# Altium PCB SPG_300.PcbDoc (part 4 of 7) (continued)
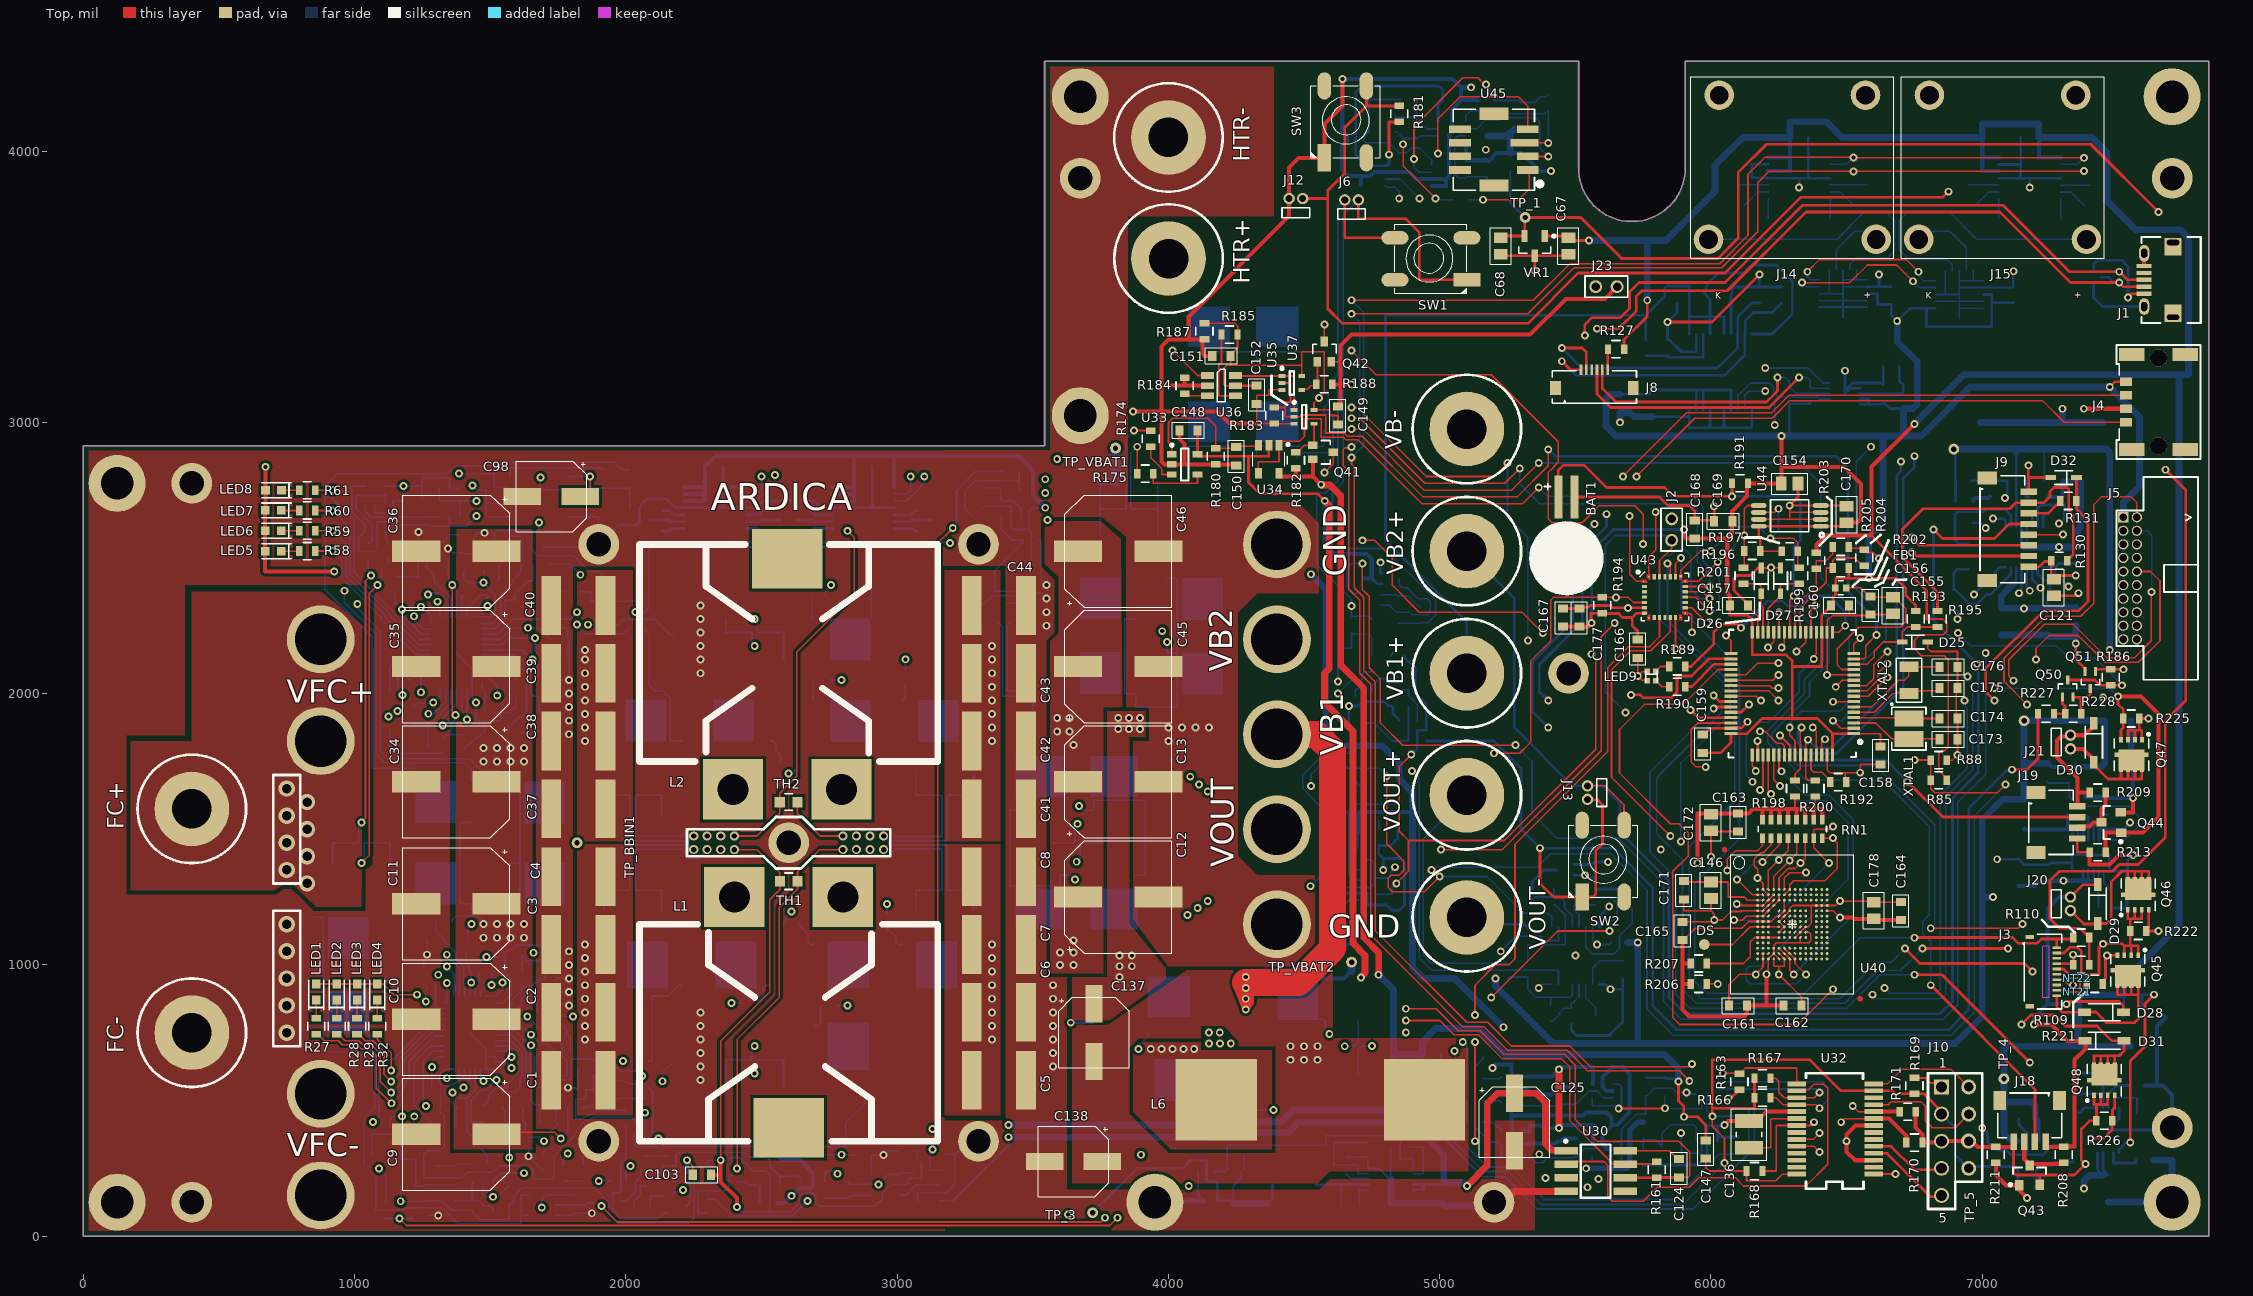
[diagram p0: Top view]
## Nets (pads, with @x,y where several pads share a name; then routed paths per layer and width w, separated by ;. In a path a pad name is that pad's centre, name@x,y a point inside that pad or via, vN(x,y) a via of type N, cw(c..) or ccw(c..) an arc to the next point about the centre after c; other vN are vias at no path point) (continued)
  Bottom w6: Q34.1@4764.57,1259.68 4765.11,1260.22 4815.69,1260.22 R132.2@4825,1259.53 4825,1285 v1(4840,1300)
  Bottom w10: D20.2@4870.59,2137.4 4870.59,2133.46 4910,2094.06 4910,2000 4950.31,1959.68 4950.31,1865 4917.56,1865 4917.56,1797.57 v1(4895,1775)
DO_BOXFAN_PWM: Q44.1 Q47.G R213.2 R225.2 U41.41 | length 2583.9
  Top w6: U41.41@6073.62,1990.16 6166.92,1990.16 6182.08,1975 v1(6185,1975)
  Top w10: v1(7500,1990) 7500.29,1989.71 7500.29,1960.5 7519.88,1940.91 R225.2@7519.88,1908.15 7519.88,1875.04 7511.61,1866.77 Q47.G@7511.61,1830.12
  Top w15: R213.2@7454.53,1414.76 7454.53,1487.6 Q44.1@7512.4,1487.6 7592.6,1487.6 7650,1545 7650,1925 7585,1990 v1(7500,1990)
  Route3-GND w6: v1(6185,1975) 6235,1925 6419.49,1925 6430,1935.51 6789.49,1935.51 6835,1890 6950,1890 7007.5,1947.5 7007.5,1982.5 v1(7045,2020)
  Bottom w6: v1(7045,2020) 7470,2020 v1(7500,1990)
DO_CBENH: R171.2 U32.10 U41.9 | length 2573.5
  Top w6: v1(6522.48,480) 6543.5,458.98 U32.10@6599.43,458.98 ; U41.9@6526.38,2009.84 6575.31,2009.84 6615,2049.53 6615,2075 v1(6650,2110)
  Top w15: U32.10@6599.43,458.98 R171.2@6695.47,458.98
  Route3-GND w6: v1(6522.48,480) 6640,597.52 v1(6640,915) ; v1(6650,2110) 6680,2140 6825,2140 6935,2030 v1(6935,1975)
  Bottom w6: v1(6640,915) 6660,895 6830,895 6845,910 6845,1625 6945,1725 6945,1945 6937,1953 6937,1973 v1(6935,1975)
DO_CBENL: R170.2 U32.9 U41.10 | length 2867.1
  Top w6: v1(6480,420) 6493.39,433.39 U32.9@6599.43,433.39 ; U41.10@6526.38,2029.53 6574.53,2029.53 6600,2055 6600,2105 v1(6650,2155)
  Top w15: U32.9@6599.43,433.39 6656.61,433.39 6720,370 6720,345.47 R170.2@6720.47,345
  Route3-GND w6: v1(6480,420) 6480,423.23 6470,433.23 6470,765 v1(6595,890) ; v1(6650,2155) 6835.79,2155 6928.19,2062.6 v1(6945,2062.6)
  Bottom w6: v1(6595,890) 6610,875 6850,875 6865,890 6865,1515.94 ; 6865.94,1515 6865,1515.94 ; v1(6945,2062.6) 6965,2042.6 6965,1720 6865,1620 6865,1515.94
DO_CHTR_PWM: R183.2 U35.2 U37.2 U41.15 | length 3405.6
  Top w6: R183.2@4385,3054.53 R183.2@4390,3054.53 4430,3054.53 ; U37.2@4418.58,3145 4449.96,3145 4449.96,3075 4430,3075 4430,3054.53 ; v1(5400,2900) 5400,2840 5285,2725 4938.39,2725 4715,2948.39 4660,2948.39 4647.95,2960.44 4580,2960.44 4580,3027 4488,3027 4488,3020 U35.2@4463.58,3020 4430,3020 4430,3054.53 ; U41.15@6526.38,2127.95 6562.95,2127.95 6570,2135 6570,2176.54 v1(6610,2216.54)
  Bottom w10: v1(5400,2900) 5425,2875 5435,2875 6460,2875 6505,2830 6505,2373.85 6610,2268.85 v1(6610,2216.54)
DO_CHTR_WDOG: U36.1 U41.22 | length 3467.1
  Top w6: v1(4015,3265) 4107.6,3172.4 U36.1@4143.43,3172.4 ; v1(4675,3265) 4765,3175 5190,3175 5437.2,2927.8 5437.2,2852.2 5400,2815 5400,2643.8 5413.8,2630 5525,2630 5587,2692 5719.1,2692 5750,2661.1 v1(5750,2551.65) ; v1(6315,2155) 6349.21,2189.21 U41.22@6349.21,2226.38
  Route3-GND w6: v1(4015,3265) v1(4675,3265) ; v1(5750,2551.65) 5750,2485.94 5815.63,2420.32 6189.69,2420.32 6315,2295 v1(6315,2155)
DO_DC1_ENB: Q6.1 R23.1 U41.28 | length 6087.9
  Top w6: v1(6210,2170) 6231.1,2191.1 U41.28@6231.1,2226.38
  Route2-SIG w6: v1(1697.64,350) 1797.64,450 2022.16,450 2052.16,420 2084.88,420 2114.88,450 3040,450 3125,535 4306.18,535 4395,623.82 4395,712.34 4455,772.34 4852.66,772.34 v1(4875,750) 4974.88,750 5087.88,863 5144,863 5172,835 5420,835 5500,915 v1(5500,1035)
  Route3-GND w6: v1(5500,1035) 5605,1035 5690,1120 5690,1415 5685,1420 5685,1890 5795,2000 5940,2000 6110,2170 v1(6210,2170)
  Bottom w6: Q6.1@1641.5,364.69 1682.95,364.69 v1(1697.64,350) 1697.64,302.68 R23.1@1697.8,302.52
DO_DC2_ENB: Q12.1 R57.2 U41.57 | length 6474.7
  Top w6: v1(4675,2975) 4716.92,2975 4941.92,2750 5265,2750 v1(5365,2850) ; v1(6290.12,1875.04) 6290.12,1846 6309.84,1826.28 U41.57@6309.84,1773.62
  Route2-SIG w6: v1(1679.67,2630) 1739.67,2690 3475,2690 3525,2640 v1(3554.75,2640)
  Route3-GND w6: v1(3554.75,2640) 3576.19,2661.44 3576.19,2725.68 3600.52,2750 3925,2750 4135.44,2960.44 4660.44,2960.44 v1(4675,2975)
  Bottom w6: v1(1679.67,2630) 1679.67,2606.63 1690.95,2595.35 Q12.1@1693.94,2595.35 1697.87,2599.29 R57.2@1764.96,2599.29 ; v1(5365,2850) 6328.31,2850 6405,2773.32 6405,2427.6 6535,2297.6 6535,2239.06 6510,2214.06 6510,1970 6475,1935 6333.47,1935 6294.71,1896.25 6294.71,1879.63 v1(6290.12,1875.04)
DO_IDLIM: Q20.1 R108.2 U41.34 | length 1268.3
  Top w10: v1(5705,1995.41) 5739.59,1995.41 5750,1985 5855,1985 5875,2005 5875,2065 5928.9,2065 5991.85,2127.95 U41.34@6073.62,2127.95
  Route3-GND w10: v1(5620,1379.53) 5620,1945 5670.41,1995.41 v1(5705,1995.41)
  Bottom w10: Q20.1@5494.47,1369.68 5559.25,1369.68 5569.09,1379.53 R108.2@5575,1379.53 v1(5620,1379.53)
DO_LED_GRN: R190.2 U41.35 | length 203.6
  Top w10: R190.2@5904.53,2025 5905.91,2026.38 5930,2026.38 6011.89,2108.27 U41.35@6073.62,2108.27
DO_LED_RED: R189.2 U41.17 | length 880.2
  Top w6: U41.17@6447.64,2226.38 6471.38,2226.38 v1(6495,2250)
  Top w10: R189.2@5904.53,2100 5927.07,2100 6010.63,2183.56 6010.63,2226.73 6040,2256.1 6096.53,2256.1 v1(6110,2242.63)
  Bottom w10: v1(6110,2242.63) 6207.37,2340 6265,2340 6281.57,2323.43 6328.94,2323.43 6365,2359.49 6435.98,2359.49 6495,2300.47 v1(6495,2250)
DO_LOAD_ENB: J2.2 R103.1 U15.7 U43.26 | length 2125.8
  Top w6: U43.26@5810.31,2430.32 5810.31,2490.32 5855,2535 J2.2@5855,2565
  Route3-GND w6: v1(5580,1075) 5620,1075 5675,1130 5675,1405 5665,1415 5665,1910 v1(5685,1930)
  Bottom w6: U15.7@5563.76,1140.47 5563.76,1091.24 v1(5580,1075) 5625.85,1075 R103.1@5633.35,1082.5 ; v1(5685,1930) 5610,2005 5610,2544.53 5648.15,2582.68 5837.32,2582.68 J2.2@5855,2565
DO_ONOFF_PWM: Q45.G R221.2 U41.42 | length 3145.4
  Top w10: v1(6010,1992.52) 6032.05,1970.47 U41.42@6073.62,1970.47 ; v1(6780,1060) v1(7095,1060) ; R221.2@7444.53,929.53 7451.34,936.34 7451.34,947.28 7454.53,950.47 7454.53,1029.65 v1(7460,1035.12) Q45.G@7498.23,1035.12
  Route2-SIG w10: v1(7095,1060) 7310,1060 7320,1070 7354.78,1070 7389.78,1035 7459.88,1035 v1(7460,1035.12)
  Bottom w6: v1(6010,1992.52) 6040,1962.52 6040,1930 5800,1690 5800,1483.76 5895,1388.76 5895,910 5946.73,858.27 6493.27,858.27 6615,980 6700,980 v1(6780,1060)
DO_PURGE_PWM: Q48.G R226.2 U41.43 | length 3363.1
  Top w10: v1(6010,1945) 6015.79,1950.79 U41.43@6073.62,1950.79 ; v1(6750,963.46) 6851.54,963.46 v1(7175,640) ; v1(7400,360.47) 7446.81,360.47 7478.62,392.28 7478.62,423.74 R226.2@7479.88,425 7480,425.12 7480,465 7488.39,473.39 Q48.G@7488.39,519.88
  Route2-SIG w10: v1(7175,640) 7175,590 7400,365 v1(7400,360.47)
  Bottom w6: v1(6010,1945) 5775,1710 5775,1415 5870,1320 5870,892.81 5922.81,840 6499.69,840 6623.14,963.46 v1(6750,963.46)
DO_SHORT_ENB: U18.2 U43.12 | length 6446.4
  Top w6: v1(1910,110.65) 1968.65,52 3750.61,52 v1(3766.45,67.84) ; U43.12@5849.69,2280.71 5849.69,2229.21 5778.47,2158 5703.16,2158 5633.35,2088.19 5633.35,1691.65 v1(5850,1475)
  Route2-SIG w6: v1(3766.45,67.84) 3766.45,141.81 3873.78,249.13 5311.85,249.13 5375.99,185 5405,185 5430,210 v1(5585,210)
  Route3-GND w10: v1(5585,210) 5585,650 5850,915 v1(5850,1475)
  Bottom w6: U18.2@1737.24,115 1851.71,115 1859.76,123.05 1897.6,123.05 v1(1910,110.65)
DO_STACK_ENB: R118.2 U19.2 U43.13 | length 5496.7
  Top w6: v1(4675,3054.53) 4676.53,3053 4697,3053 4950,2800 5200,2800 v1(5250,2850) ; v1(5869.37,2165) U43.13@5869.37,2280.71
  Route2-SIG w6: v1(1684.74,2796.26) 1721,2760 3515.92,2760 v1(3545.92,2790) ; v1(5325,2195) 5400,2195 5410,2205 5829.37,2205 v1(5869.37,2165)
  Route3-GND w6: v1(3545.92,2790) 3915,2790 4125,3000 4620.47,3000 v1(4675,3054.53)
  Bottom w6: v1(1684.74,2796.26) 1684.74,2751.92 U19.2@1793.48,2751.92 1851,2751.92 1851,2710.03 R118.2@1899.96,2710.03 ; v1(5250,2850) 5250,2650 5325,2575 v1(5325,2195)
DO_STKFAN_PWM: Q43.1 Q46.G R211.2 R222.2 U41.21 | length 4344.4
  Top w6: U41.21@6368.9,2226.38 6368.9,2308.9 v1(6385,2325) ; v1(6810,1135) 7133.9,1135 v1(7148.9,1150)
  Top w10: Q46.G@7613.39,1203.15 7613.39,1139.76 7604.53,1130.91 R222.2@7604.53,1125 v1(7650,1125)
  Top w15: R211.2@7050,270 7050,225 7087.4,187.6 Q43.1@7137.09,187.6 7137.09,167.91 v1(7165,140)
  Route2-SIG w10: v1(7148.9,1150) 7173.9,1125 v1(7650,1125) 7695,1080 7695,655 7460,420 7460,255 7410,205 7345,205 7280,140 v1(7165,140)
  Bottom w6: v1(6385,2325) 6435.98,2274.02 6435.98,2115.98 6363,2043 6363,1992.53 6226,1855.53 6226,1829 6320,1735 6605.94,1735 6825,1515.94 6825,1150 v1(6810,1135)
DO_UIO_RES: J9.5 U41.55 | length 2387.9
  Top w6: v1(6181,1861) 6199,1861 6243,1817 6261,1817 6270.47,1807.53 U41.55@6270.47,1773.62 ; J9.5@7171.26,2585.79 7296.79,2585.79 v1(7297,2586)
  Route3-GND w6: v1(6181,1861) 6152,1861 6138,1847 6138,1702 6123,1687 6123,1659.98 6179.98,1603 6320,1603 6479,1762 6654,1762 6721,1829 6977,1829 7270,2122 7270,2478 7257.61,2490.39 7257.61,2552.61 7291,2586 v1(7297,2586)
DPOT-EITRIM: R104.1 R105.2 U15.4 | length 285.9
  Bottom w6: R105.2@5340,1220.47 5339.53,1220.94 5339.53,1240.06 5349.47,1250 5420,1250 ; R104.1@5420,1279.53 5420,1250 ; U15.4@5488.17,1140.47 5488.17,1181.83 5460,1210 5460,1234.31 5444.31,1250 5420,1250
DPOT_IBTRIM: C33.1 R33.1 R36.2 R37.2 R38.2 | length 437.7
  Bottom w6: R37.2@1131.26,346.22 1170.13,346.22 ; R33.1@1209.01,346.22 1170.13,346.22 ; R38.2@1258.5,184.53 1258.03,185 1225,185 1225,283.15 1170,283.15 1170,346.09 1170.13,346.22 ; R38.2@1260,189.53 R36.2@1370,189.53
DPOT_IDCTRIM: R99.1 R101.1 | length 34.1
  Bottom w6: R101.1@4775,1499.53 R99.1@4775,1533.58
FTRIM: R26.1 R31.2 | length 72.6
  Bottom w6: R26.1@1770,201.78 R31.2@1842.57,201.78
GND: C1.2 C2.2 C3.2 C4.2 C5.2 C6.2 C7.2 C8.2 C9.2 C10.2 C11.2 C12.2 C13.2 C15.2 C17.2 C19.2 C20.2 C21.1 C22.2 C23.2 C24.2 C25.2 C26.2 C27.2 C28.2 C29.2 C30.2 C31.2 C34.2 C35.2 C36.2 C37.2 C38.2 C39.2 C40.2 C41.2 C42.2 C43.2 C44.2 C45.2 C46.2 C47.2 C49.2 C52.2 C53.2 C54.1 C55.2 C56.2 C57.2 C58.2 C59.2 C60.2 C61.2 C62.2 C63.2 C64.2 C67.2 C68.2 C75.2 C76.2 C77.2 C80.2 C82.2 C85.2 C86.2 C87.2 C88.2 C89.2 C90.2 C91.2 C92.2 C93.2 C94.2 C97.2 C98.2 C99.2 C100.2 C101.2 C102.2 C106.2 C107.2 C108.2 C109.2 C110.2 C111.2 C112.2 C113.2 C114.2 C116.2 C122.2 C125.2 C126.2 C127.2 C128.2 C129.2 C130.2 C131.2 C132.2 C133.2 C134.2 C135.2 C138.2 C184.2 C185.2 C189.2 D16.A D23.A D24.A FC-.1 HTR-.1 J23.2 NT6.2 NT12.2 pad.1 pad.3 pad.8 pad.13 pad.14 pad.15 pad.16 pad.17 pad.18 pad.19 pad.20 pad.21 pad.22 pad.23 pad.24 pad.25 pad.26 pad.27 pad.28 pad.29 pad.30 pad.31 Q6.2 Q12.2 Q20.2 Q25.S1 Q25.S2 Q25.S3 Q26.S1 Q26.S2 Q26.S3 Q31.2 Q34.2 Q36.S1 Q36.S2 Q36.S3 Q49.2 Q51.2 R9.1 R10.1 R15.1 R21.1 R23.2 R24.1 R25.2 R31.1 R34.2 R35.1 R48.1 R49.1 R55.1 R57.1 R63.1 R64.1 R65.2 R71.1 R72.1 R74.1 R75.1 R77.1 R81.1 R82.1 R98.2 R101.2 R102.2 R106.2 R108.1 R118.1 R119.1 R125.1 R132.1 R140.1 R145.1 R146.1 R148.1 R153.1 R154.1 R155.1 R156.1 R163.1 TZ1.A U1.11 U1.13 U1.39 U3.13 U3.39 U5.5 U5.11 U6.5 U6.11 U7.4 U7.5 U7.17 U10.1 U10.4 U10.11 U11.4 U11.11 U12.1 U12.4 U12.11 U12.13 U13.4 U13.11 U13.13 U14.2 U15.9 U16.5 U18.3 U19.4 U21.1 U21.5 U21.7 U21.10 U22.1 U22.2 U22.11 U23.5 U24.2 U25.5 U26.2 U27.2 U28.2 U29.2 U30.4 VB-.1 VOUT-.1 VR1.3 VR2.2 | length 20367.2
  Top w10: C68.2@5225,3619.49 5230.91,3613.58 VR1.3@5350,3613.58 ; v1(5350,3560) VR1.3@5350,3613.58 ; C67.2@5475,3619.49 5469.09,3613.58 VR1.3@5350,3613.58 ; v1(6065,510) 6070.53,510 6072.53,508 R163.1@6105,539.1 ; v1(7344.69,2185) 7344.69,2126.17 7378.53,2092.32 Q51.2@7378.53,2081.5
  Top w25: pad.27@5200,125 5233.82,125 5273.82,165 U30.4@5466.73,165
  Bottom w6: C58.2@1150,2430.51 1232.44,2430.51 C53.2@1232.95,2430 1232.95,2514.96 C57.2@1234.49,2516.5 1234.49,2594.49 v1(1235,2595) ; C25.2@1254.96,989.26 1254.96,1030 1262.46,1037.5 v2(1267.55,1037.5) C20.2@1267.55,1090 C20.2@1267.55,1095.91 ; R119.1@1270.03,75 1271.8,76.77 1273.57,75 1275.35,76.77 v1(1308.47,76.77) ; v1(1345,2535.03) 1361.57,2518.46 C76.2@1402.28,2518.46 1406.22,2514.53 R65.2@1475.58,2514.53 1515.39,2514.53 1528.72,2501.2 1532.65,2501.2 1544.92,2488.94 C52.2@1544.92,2485 1532.65,2472.74 1532.65,2421.75 R55.1@1525.9,2415 ; U3.39@1374.96,2150 1434.01,2090.94 U3.13@1434.01,2016.14 1434.01,1985.84 1447.86,1972 v1(1447.86,1967.54) 1447.86,1900 1480.08,1900 ; C56.2@1406.22,1797.57 C64.2@1480.08,1862.01 1480.08,1900 ; C24.2@1417.08,1102.43 1417.08,1136.41 v1(1431.44,1150.77) ; U1.39@1424.96,750 1484.46,690.49 U1.39@1484.46,661.42 ; C23.2@1514.52,340 1514.52,381.5 1512.95,383.07 ; U1.11@1519.45,661.42 U1.39@1484.46,661.42 ; C62.2@1594.25,1989.02 1594.25,1951.14 1573.1,1930 R63.1@1539.53,1930 1539.53,1904.78 1534.75,1900 1480.08,1900 ; C31.2@1609.96,483.66 1622.22,471.4 1622.22,424.61 C30.2@1628.93,417.9 1628.93,384.09 1629.96,383.07 ; R21.1@1614.48,977 1618.42,978.94 C19.2@1618.42,1033.56 ; C19.2@1618.42,1037.5 C19.2@1618.42,1033.56 ; v1@1641.5,285.43 v1@1641.5,293.86 ; Q6.2@1641.5,325.31 v1(1641.5,294.4) v1@1641.5,293.86 ; Q12.2@1693.94,2544.17 1697.87,2540.24 R57.1@1764.96,2540.24 1890.19,2540.24 pad.21@1899.96,2550 R118.1@1899.96,2650.97 1788.74,2650.97 U19.4@1788.74,2650 ; R23.2@1697.8,243.46 1691.89,243.46 v1@1641.5,293.86 ; C49.2@1723.46,2415 1723.46,2375 ; U18.3@1736.83,77.6 U18.3@1737.24,77.6 1810.15,77.6 C116.2@1810.15,84.49 v1(1874.4,84.49) ; C15.2@1738.42,885 1738.42,887.74 1750.69,900 v2(1789.96,900) ; C17.2@1738.42,945 1743.42,950 v2(1789.96,950) ; R64.1@1739.53,1925 1764.96,1925 v2(1789.96,1950) ; C63.2@1743.46,1860 1753.46,1850 v2(1789.96,1850) ; C59.2@1743.46,1990 1765.73,1990 1771.14,1995.41 1785.36,1995.41 v2(1789.96,2000) ; C55.2@1743.46,2055 1748.46,2050 v2(1789.96,2050) 1789.96,2122.33 C54.1@1788.46,2123.82 ; R15.1@1770.47,2374.89 1723.58,2374.89 1723.46,2375 ; C54.1@1788.46,2115 C54.1@1788.46,2123.82 ; v2(1789.96,850) 1785.96,854 1714.51,854 1704.96,844.45 1704.96,792.34 1750.08,792.34 1782.51,759.91 C28.2@1782.51,754 1781.73,753.22 1781.73,747.24 1794.53,734.45 R25.2@1794.53,676.54 ; v2(1789.96,1050) 1759.96,1020 1682.62,1020 1677.62,1015 1636.98,1015 C19.2@1618.42,1033.56 ; C54.1@1789.96,2123.82 C54.1@1788.46,2123.82 ; C21.1@1823.46,615.47 1823.46,542.86 R24.1@1820.6,540 1813.36,547.24 v2(1787.29,547.24) C22.2@1747.73,547.24 1747.73,542.78 1744.06,539.1 1744.06,420.3 C26.2@1747.73,416.63 1747.73,412.69 1718.11,383.07 1629.96,383.07 ; R31.1@1842.57,260.83 1842.15,261.25 1842.15,292.19 pad.29@1899.96,350 ; R10.1@2368.66,550 2368.66,650 2464.96,650 NT6.2@2464.96,655 ; R49.1@2368.66,2275 2368.66,2225 2464.96,2225 NT12.2@2464.96,2215 ; U23.5@2903.23,227.4 2904.53,228.7 R148.1@2904.53,300.47 2949.06,300.47 v1(2950,299.53) 2965.56,315.08 2973.56,315.08 2973.65,315 C127.2@3006.54,315 ; R145.1@3075,129.33 3075,160 3180,160 3214.55,194.55 3214.55,302.52 ; R146.1@3175,302.52 3214.55,302.52 ; pad.28@3299.96,350 3262.03,350 3214.55,302.52 ; pad.22@3299.96,2550 3299.96,2632.64 3251.54,2681.06 C128.2@3251.54,2685 3251.54,2746.54 3290,2785 3449.08,2785 ; R154.1@3449.08,2815 3449.08,2785 ; U25.5@3457.87,2749.02 3449.08,2757.81 3449.08,2785 ; U24.2@3497.2,2370 3529.96,2370 v2(3549.96,2350) ; R153.1@3524.53,2565 3530.67,2558.86 C129.2@3530.67,2485.85 3530.67,2419.29 v2(3549.96,2400) ; pad.18@3950,125 pad.18@3955,130 ; 4080,130 4080.47,130.47 ; R71.1@4110.47,238.31 4110.47,150.31 C75.2@4130.79,130 ; C77.2@4655,291.34 4735,291.34 R72.1@4735,285.47 4735,249.37 U5.5@4737.13,249.37 4776.69,249.37 4816.06,210 U5.11@4820,210 4820,330 C184.2@4821.54,330 ; U1.39@1484.46,661.42 1484.01,660.96 U1.13@1484.01,616.14 1507.99,616.14 1523.48,600.65 v2(1523.48,576.18) 1484.41,537.11 1464.84,537.11 1429.96,502.23 1429.96,419.49 C29.2@1470.63,419.49 1476.53,419.49 1512.95,383.07 ; 1512.95,383.07 1629.96,383.07 ; 1723.46,2375 C47.2@1723.46,2345 1723.46,2341.06 1705.83,2323.43 1705.83,2248.08 1711.91,2242 1779.26,2242 1785.51,2235.75 C61.2@1785.51,2197.5 1788.46,2194.55 C54.1@1788.46,2123.82
  Bottom w10: pad.21@1899.96,2550 1970.29,2620.33 2034.96,2620.33 2050,2635.37 2050,2688.07 2080.39,2718.46 2148.74,2718.46 2180.11,2687.09 2213.74,2687.09 U10.11@2215.83,2685 2358.03,2685 ; C106.2@2358.03,2836 2358.03,2761.77 ; U10.1@2444.17,2761.77 2358.03,2761.77 ; C107.2@2908.46,2836 2908.46,2685 ; U11.4@2989.17,2685 2908.46,2685 ; U14.2@4617.76,1600.51 4585.86,1600.51 4580,1594.65 4580,1505 4600,1485 C110.2@4631.54,1485 4631.54,1441.54 4613.23,1423.23 U16.5@4613.23,1387.87 4606.54,1387.87 4577.12,1358.46 4577.12,1294.11 4593,1278.23 4623.31,1278.23 4636.54,1265 4733.08,1265 4733.08,1220.32 Q34.2@4764.57,1220.32 4805.16,1220.32 R132.1@4825,1200.47 4850.16,1200.47 4870,1220.32 4870,1375 4853,1392 4792,1392 ; C189.2@4661.82,1891.73 4665,1894.91 v1(4665,1953.9) 4701.58,1953.9 4718,1970.32 Q31.2@4751.5,1970.32 4794.25,1970.32 4809.09,1955.47 R125.1@4815,1955.47 4820.91,1955.47 4827.72,1948.66 4827.72,1926.85 4850.63,1903.94 C113.2@4850.63,1900 ; v1(4781.5,2483.9) 4781.5,2445.59 4782.4,2444.68 Q49.2@4787.91,2444.68 ; v1(4792,1350) 4792,1392 ; C111.2@4845,1529.65 4845,1465 4820,1440 4819.76,1440.24 4775.24,1440.24 R101.2@4775,1440.47 4775,1409 4792,1392 ; VOUT-.1@5100,1175 5124.8,1150.2 5310.31,1150.2 C112.2@5325,1135.51 ; R106.2@5485,780.47 5485,759.84 5504.84,740 5624.8,740 5674.21,789.41 C60.2@5674.21,815 5675,815.79 5675,910 ; Q20.2@5494.47,1330.32 v1(5535,1330.32) 5544.84,1320.47 R108.1@5575,1320.47 R98.2@5575,1279.53 R102.2@5690,1279.53 R102.2@5695.91,1279.53 ; U15.9@5588.96,927.87 5612.13,927.87 v1(5630,910) 5675,910 ; C114.2@5675,946.54 5675,910 ; C102.2@5785,3020.79 5919.06,3020.79 U21.10@5919.84,3020 ; U21.10@5919.84,3044.25 U21.10@5919.84,3020 ; U21.7@5996.61,3044.25 5996.61,2980 ; U21.5@6047.8,3044.25 6047.8,2980 ; U21.1@6150.16,3044.25 6150.16,2980 6047.8,2980 ; U12.13@6210.83,3951.18 6150,3951.18 6150,3901.06 6210.83,3901.06 U12.11@6210.83,3900 6325,3900 ; v1(6325,3865) 6325,3900 ; C108.2@6358.46,4050 6358.46,3976.77 ; U12.4@6439.17,3900 6358.46,3900 ; U12.1@6439.17,3976.77 6358.46,3976.77 ; v1(6494.02,3190) U22.11@6494.02,3117.36 ; U22.2@6549.63,3125.16 6513.7,3125.16 U22.11@6494.02,3105.47 U22.11@6494.02,3117.36 ; R140.1@6634.65,3205.47 6634.65,3139.88 C122.2@6634.17,3139.41 6628.82,3144.76 6549.7,3144.76 U22.1@6549.63,3144.84 6521.5,3144.84 U22.11@6494.02,3117.36 ; v1(7000,398.94) 7019.41,379.54 7019.41,347.2 7034.09,332.51 C100.2@7040,332.51 7054.69,317.83 7087.65,317.83 7105,300.47 7165,300.47 ; U13.11@7060.83,3900 7141.54,3900 ; U13.13@7060.83,3951.18 7060.83,3950 7141.54,3950 ; C94.2@7134.49,435 7134.49,410.98 7165,380.47 VR2.2@7165,351.3 7165,300.47 ; C109.2@7141.54,4050 7141.54,3950 ; U7.4@7144.76,2614.8 7144.76,2549.84 U7.17@7154.6,2540 7164.48,2530.12 7164.48,2540 U7.5@7164.44,2614.8 ; v1(7175,3865) 7175,3900 ; U13.4@7289.17,3900 7175,3900 ; R77.1@7335,334.53 7334.27,335.26 7265.73,335.26 C101.2@7265,335.98 7261.06,335.98 7224.61,299.53 7165.94,299.53 7165,300.47 ; U6.5@7503.74,472.87 7503.74,433.31 7464.37,393.94 U6.11@7464.37,390 7465.41,391.04 R75.1@7570.31,391.04 7692.1,391.04 pad.26@7700,398.94 ; 2358.03,2685 U10.4@2444.17,2685 2483.48,2685 2508.01,2709.53 2695,2709.53 2719.53,2685 U11.11@2760.83,2685 2908.46,2685 ; 2358.03,2685 2358.03,2761.77 ; U21.10@5919.84,3020 5919.84,2980 5996.61,2980 ; 5996.61,2980 6047.8,2980 ; 6325,3900 6358.46,3900 ; 6358.46,3900 6358.46,3976.77 ; 7141.54,3900 7141.54,3950 ; 7141.54,3900 7175,3900
  Bottom w15: v1(5195,619.88) 5208.19,633.07 5265,633.07 5265,540 ; U27.2@5265,292.28 5265,340 ; C132.2@5500,359.69 5456.97,359.69 5445.91,348.62 R155.1@5440,348.62 5434.09,348.62 5427.01,341.54 C131.2@5370,341.54 5331.54,341.54 5330,340 5265,340 ; C135.2@5500,555 5493.84,548.84 5444.31,548.84 R156.1@5440,544.53 5434.09,544.53 5411.1,521.54 C130.2@5369.15,521.54 5361.89,528.8 5331.2,528.8 5320,540 5265,540 ; U29.2@5637.4,321.54 5637.03,321.91 5617.62,321.91 5600,339.53 5600,372.6 5633.46,406.06 C134.2@5633.46,410 ; U28.2@5637.4,535 5637.03,535.37 5614.15,535.37 5600,549.53 5600,586.42 C133.2@5633.46,619.88 5633.46,623.82 5676.18,623.82 5700,600 5700,457.13 5652.87,410 C134.2@5633.46,410 ; R81.1@7242.6,2724.53 7296.06,2724.53 C85.2@7296.06,2785 7357.13,2785 7362.13,2780 ; C82.2@7600.83,555 7644.21,555 ; R74.1@7674.53,810.12 7674.53,804.21 7655.39,785.08 7654.82,785.08 7644.21,774.47 C80.2@7644.21,700.79 7644.21,555 ; pad.26@7700,398.94 7700,521.14 7666.14,555 7644.21,555 ; 5265,340 5265,445 ; 5265,445 5530,445 5540,455 5615.59,455 5633.46,437.13 C134.2@5633.46,410 ; 5265,445 U26.2@5265,492.76 5265,540
  Bottom w20: pad.18@3955,130 4080,130 C75.2@4130.79,130
  Bottom w25: U5.11@4820,210 4820,121.14 C86.2@5015,121.14 ; C86.2@5015,114.65 C86.2@5015,110.79 5200,110.79 pad.27@5200,125 ; v1(5665,3000) C126.2@5665,3036.54 5700,3036.54 5715.75,3020.79 C102.2@5785,3020.79 ; C87.2@6994.57,2999.65 C89.2@7145.04,2999.65 C91.2@7295.04,2999.65 ; C92.2@7070,2215.79 C90.2@7240,2215.79 7245.79,2210 7344.84,2210 ; U7.17@7154.6,2540 U7.17@7164.48,2540 ; U7.17@7164.73,2540.26 U7.17@7164.48,2540.01 ; v1(7296.06,3050) 7296.06,3000.68 C91.2@7295.04,2999.65 ; v1(7344.69,2185) 7344.84,2185.16 7344.84,2210 ; C99.2@7345,2251.54 7344.84,2251.38 7344.84,2210 ; 7362.13,2780 R82.1@7362.13,2684.5 7361.44,2683.82 7361.44,2611.44 7350,2600 C97.2@7350,2540.51 7349.74,2540.26 7283.72,2540.26 v1(7283.46,2540) U7.17@7164.48,2540 ; C93.2@7445.39,3000 C93.2@7445.04,2999.65 C91.2@7295.04,2999.65 ; C88.2@7464.37,125.79 7464.76,125.39 pad.19@7699.61,125.39 ; C185.2@7633.46,280 7699.61,280 pad.19@7699.61,125.39 ; pad.19@7700,125 pad.19@7699.61,125.39
  other v2: 2274.96,575 2274.96,625 3574.96,625 2274.96,675 3574.96,675 4149.96,710 4189.96,710 4229.96,710 2274.96,725 3574.96,725 4149.96,750 4189.09,750 2274.96,775 3574.96,775 2274.96,825 3574.96,825 3574.96,875 3574.96,925 1789.96,1000 4000,1825 4000,1875 4050,1875 4100,1875 4150,1875 1789.96,1900 2274.96,2075 2274.96,2125 2274.96,2175 2274.96,2225 3549.96,2250 2274.96,2275 3549.96,2300 2274.96,2325
  other v4: 749.96,750 749.96,850 749.96,950 749.96,1050 749.96,1150
HTR+: D24.C HTR+.1 Q38.D1 Q38.D2 Q38.D3 Q38.D4 Q40.D1 Q40.D2 Q40.D3 Q40.D4
HTR_EN: U35.1 U36.6 U37.1 | length 342.8
  Top w6: U36.6@4246.57,3172.4 4248.39,3170.59 U37.1@4418.58,3170.59 4463.58,3170.59 U35.1@4463.58,3045.59
I2C_SCL: J9.7 R197.2 R199.1 U38.19 U39.19 U43.22 U44.6 U46.5 | length 5292.6
  Top w6: U43.22@5889,2432.51 5889,2453.45 5961.34,2525.79 v1(5999.53,2525.79) ; U44.6@6175.98,2667.8 6235.54,2667.8 v1(6248.96,2681.22) ; v1(6219.29,2572.01) 6304.92,2572.01 6319.69,2557.24 R197.2@6319.69,2525 6319.69,2469.84 R199.1@6325,2464.53 ; v1(6335,3515) 6511.73,3515 6576.73,3580 6685,3580 v1(6745,3520)
  Top w10: v1(6740,2520.22) 6745.14,2520.22 6758.31,2507.05 J9.7@7171.26,2507.05
  Route2-SIG w6: v1(4850.63,3824.8) 5145,3530 5240,3435 5700,3435 5750,3485 6205,3485 6235,3515 v1(6335,3515)
  Route3-GND w10: v1(6335,3515) 6300,3480 6300,3410 6105,3215 6105,2870 6250.79,2724.21 6250.79,2683.05 v1(6248.96,2681.22) 6276.54,2653.65 6709.06,2653.65 6770,2592.7 6770,2550.22 v1(6740,2520.22)
  Bottom w6: U46.5@4800.35,3871.14 4805.73,3865.77 4834.86,3865.77 4850.63,3850 v1(4850.63,3824.8) ; v1(5999.53,2525.79) 6088.74,2615 6176.3,2615 v1(6219.29,2572.01) 6248.96,2601.68 v1(6248.96,2681.22) ; v1(6335,3515) 6350.2,3499.8 U38.19@6398.19,3499.8 ; v1(6745,3520) 6768.23,3496.77 U39.19@6826.42,3496.77
I2C_SCL_S: D27.C R199.2 U41.29 | length 261
  Top w6: U41.29@6211.42,2226.38 6211.42,2314.92 6255,2358.5 6255,2368.35 6255,2395 6265.47,2405.47 R199.2@6325,2405.47
I2C_SDA: J9.6 R196.2 R201.1 U38.20 U39.20 U43.21 U44.5 U46.6 | length 5185
  Top w6: U43.21@5904.8,2414.57 5954.57,2414.57 6024.84,2484.84 v1(6025,2484.84) ; R201.1@6120,2464.53 6122.83,2467.36 R196.2@6122.83,2525.79 v1(6122.83,2582.68) 6122.83,2681.22 6135,2693.39 U44.5@6175.98,2693.39 ; v1(6355,3555) 6400,3600 6720,3600 v1(6765,3555)
  Top w10: v1(6740,2575) 6768.58,2546.42 J9.6@7171.26,2546.42
  Route2-SIG w6: v1(4925,3825) 4925,3775 5250,3450 5694.45,3450 5744.45,3500 6195,3500 6250,3555 v1(6355,3555)
  Route3-GND w10: v1(6122.83,2582.68) 6170.16,2630 6215,2630 ; v1(6355,3555) 6330,3555 6280,3505 6280,3425 6080.31,3225.32 6080.31,2859.68 6215,2725 6215,2630 ; v1(6740,2575) 6685,2630 6215,2630
  Bottom w6: U46.6@4800.35,3896.73 4853.27,3896.73 v1(4925,3825) ; v1(6025,2484.84) v1(6122.83,2582.68) ; v1(6355,3555) 6355,3537.09 6366.69,3525.39 U38.20@6398.19,3525.39 ; v1(6765,3555) 6765,3540 6782.64,3522.36 U39.20@6826.42,3522.36
I2C_SDA_S: D26.C R201.2 U41.30 | length 240.7
  Top w6: R201.2@6120,2405.47 6174.53,2405.47 6185,2395 D26.C@6185,2368.35 6185,2325 6191.73,2318.27 U41.30@6191.73,2226.38
IBALSNK: C142.1 U29.1 U29.4 U31.6 U32.23 | length 1314.1
  Top w6: U32.23@6315.97,356.61 6376.61,356.61 v1(6400,380)
  Route2-SIG w6: v1(5910,529.53) 5972.81,529.53 6122.34,380 v1(6400,380)
  Bottom w6: U29.4@5562.6,295.94 5562.6,274 5670,274 5670,347.13 ; U29.1@5637.4,347.13 5670,347.13 ; U31.6@5945.63,523.74 5915.79,523.74 v1(5910,529.53) 5873.47,529.53 5858,545 5792.01,545 5763.94,516.93 C142.1@5760,516.93 5760,450 5725.51,450 5670,394.49 5670,347.13
IBALSRC: C141.1 U28.1 U28.4 U31.7 U32.24 | length 1388.9
  Top w6: v1(5659.8,470) 5660.5,470.7 5829.3,470.7 v1(5830,471.4) ; U32.24@6315.97,331.02 6379.53,331.02 v1(6400,310.55)
  Route2-SIG w6: v1(5830,471.4) 5913.16,471.4 6074.01,310.55 v1(6400,310.55)
  Bottom w6: U28.4@5562.6,509.41 5562.6,480 5649.8,480 v1(5659.8,470) 5662.87,470 5670,477.13 5670,550.39 5659.8,560.59 U28.1@5637.4,560.59 ; C141.1@5830,516.93 v1(5830,471.4) 5831.4,470 5965,470 5965.31,470.31 U31.7@5965.31,523.74
ICHRGLIM: D14.1 R151.1 R154.2 | length 3682.1
  Top w6: v1(3130,395) 3150,415 3150,2555 v1(3205,2610)
  Route3-GND w6: v1(2669,129) 2669,189 2740,260 2740,340 2815,415 3110,415 v1(3130,395)
  Bottom w6: D14.1@2297.4,136.24 2328.76,136.24 2390,75 2615,75 v1(2669,129) ; v1(3205,2610) 3218.57,2623.57 3218.57,2748.57 3289.53,2819.53 R151.1@3318.46,2819.53 3385.5,2819.53 R154.2@3390.02,2815
INLET_VALVE+: J3.9 NT21.2 | length 68.3
  Top w6: J3.9@7274.21,906.1 7313.9,906.1 7320,900 NT21.2@7340,900
INLET_VALVE-: D28.A J3.10 Q45.D1 Q45.D2 Q45.D3 Q45.D4 | length 689.4
  Top w10: J3.10@7274.21,886.42 7274.21,845.79 7295,825 D28.A@7377.17,825 7375.79,826.38 7418.62,826.38 7458.16,786.84 7561.84,786.84 7575,800 7575,890 ; Q45.D1@7498.23,926.85 7498.23,890 7523.82,890 ; Q45.D2@7523.82,926.85 7523.82,890 ; Q45.D3@7549.41,926.85 7549.41,890 ; Q45.D4@7575,926.85 7575,890 ; 7523.82,890 7549.41,890 ; 7549.41,890 7575,890
IOS+: Q17.S1 Q17.S2 Q17.S3 Q19.S1 Q19.S2 Q19.S3 R92.2 R94.2 U15.1 | length 2651.1
  Top w6: v1(4805,1695.47) 4805,1445.95 4867.97,1382.97 4867.97,1348.29 4850,1330.32 4820,1330.32 4810,1320.32 4810,1285 4825,1270 4944.05,1270 v1(5000,1325.95)
  Route2-SIG w6: v1(4145,1638.7) 4151.3,1645 4510.32,1645 v1(4525.32,1660)
  Route3-GND w6: v2(3664.84,1520) 4026.3,1520 v1(4145,1638.7)
  Bottom w6: R94.2@3572.44,1450 3654.96,1450 3654.96,1510.12 v2(3664.84,1520) ; v1(4525.32,1660) 4525.32,1701.58 4578.26,1754.53 R92.2@4600,1754.53 4630,1754.53 4660,1724.53 4775.94,1724.53 v1(4805,1695.47) ; v1(5000,1325.95) 5174.05,1325.95 5310.39,1189.61 5400,1189.61 5412.58,1177.03 U15.1@5412.58,1140.47
IOS-: Q16.S1 Q16.S2 Q16.S3 Q18.S1 Q18.S2 Q18.S3 R93.2 R94.1 U15.16 | length 2961.7
  Route2-SIG w6: v1(4145,1235) 4217.3,1307.3 4506.71,1307.3 v1(4524.01,1290) 4541.31,1307.3 4737.7,1307.3 4875,1170 4875,1050 4950,975 5120,975 5180,915 v1(5365,915)
  Route3-GND w6: v2(3661.85,1380) 4000,1380 v1(4145,1235)
  Bottom w6: v2(3661.85,1380) 3674.96,1393.11 3674.96,1450 R94.1@3757.48,1450 ; v1(4524.01,1290) 4559.96,1325.95 4559.96,1585.04 4495,1650 4495,1700 4575.12,1780.12 4685,1780.12 R93.2@4685,1744.53 ; v1(5365,915) 5377.87,927.87 U15.16@5412.58,927.87